# Altium PCB Ascii of Main Board V1.1.PcbDoc (part 1 of 3) (continued)
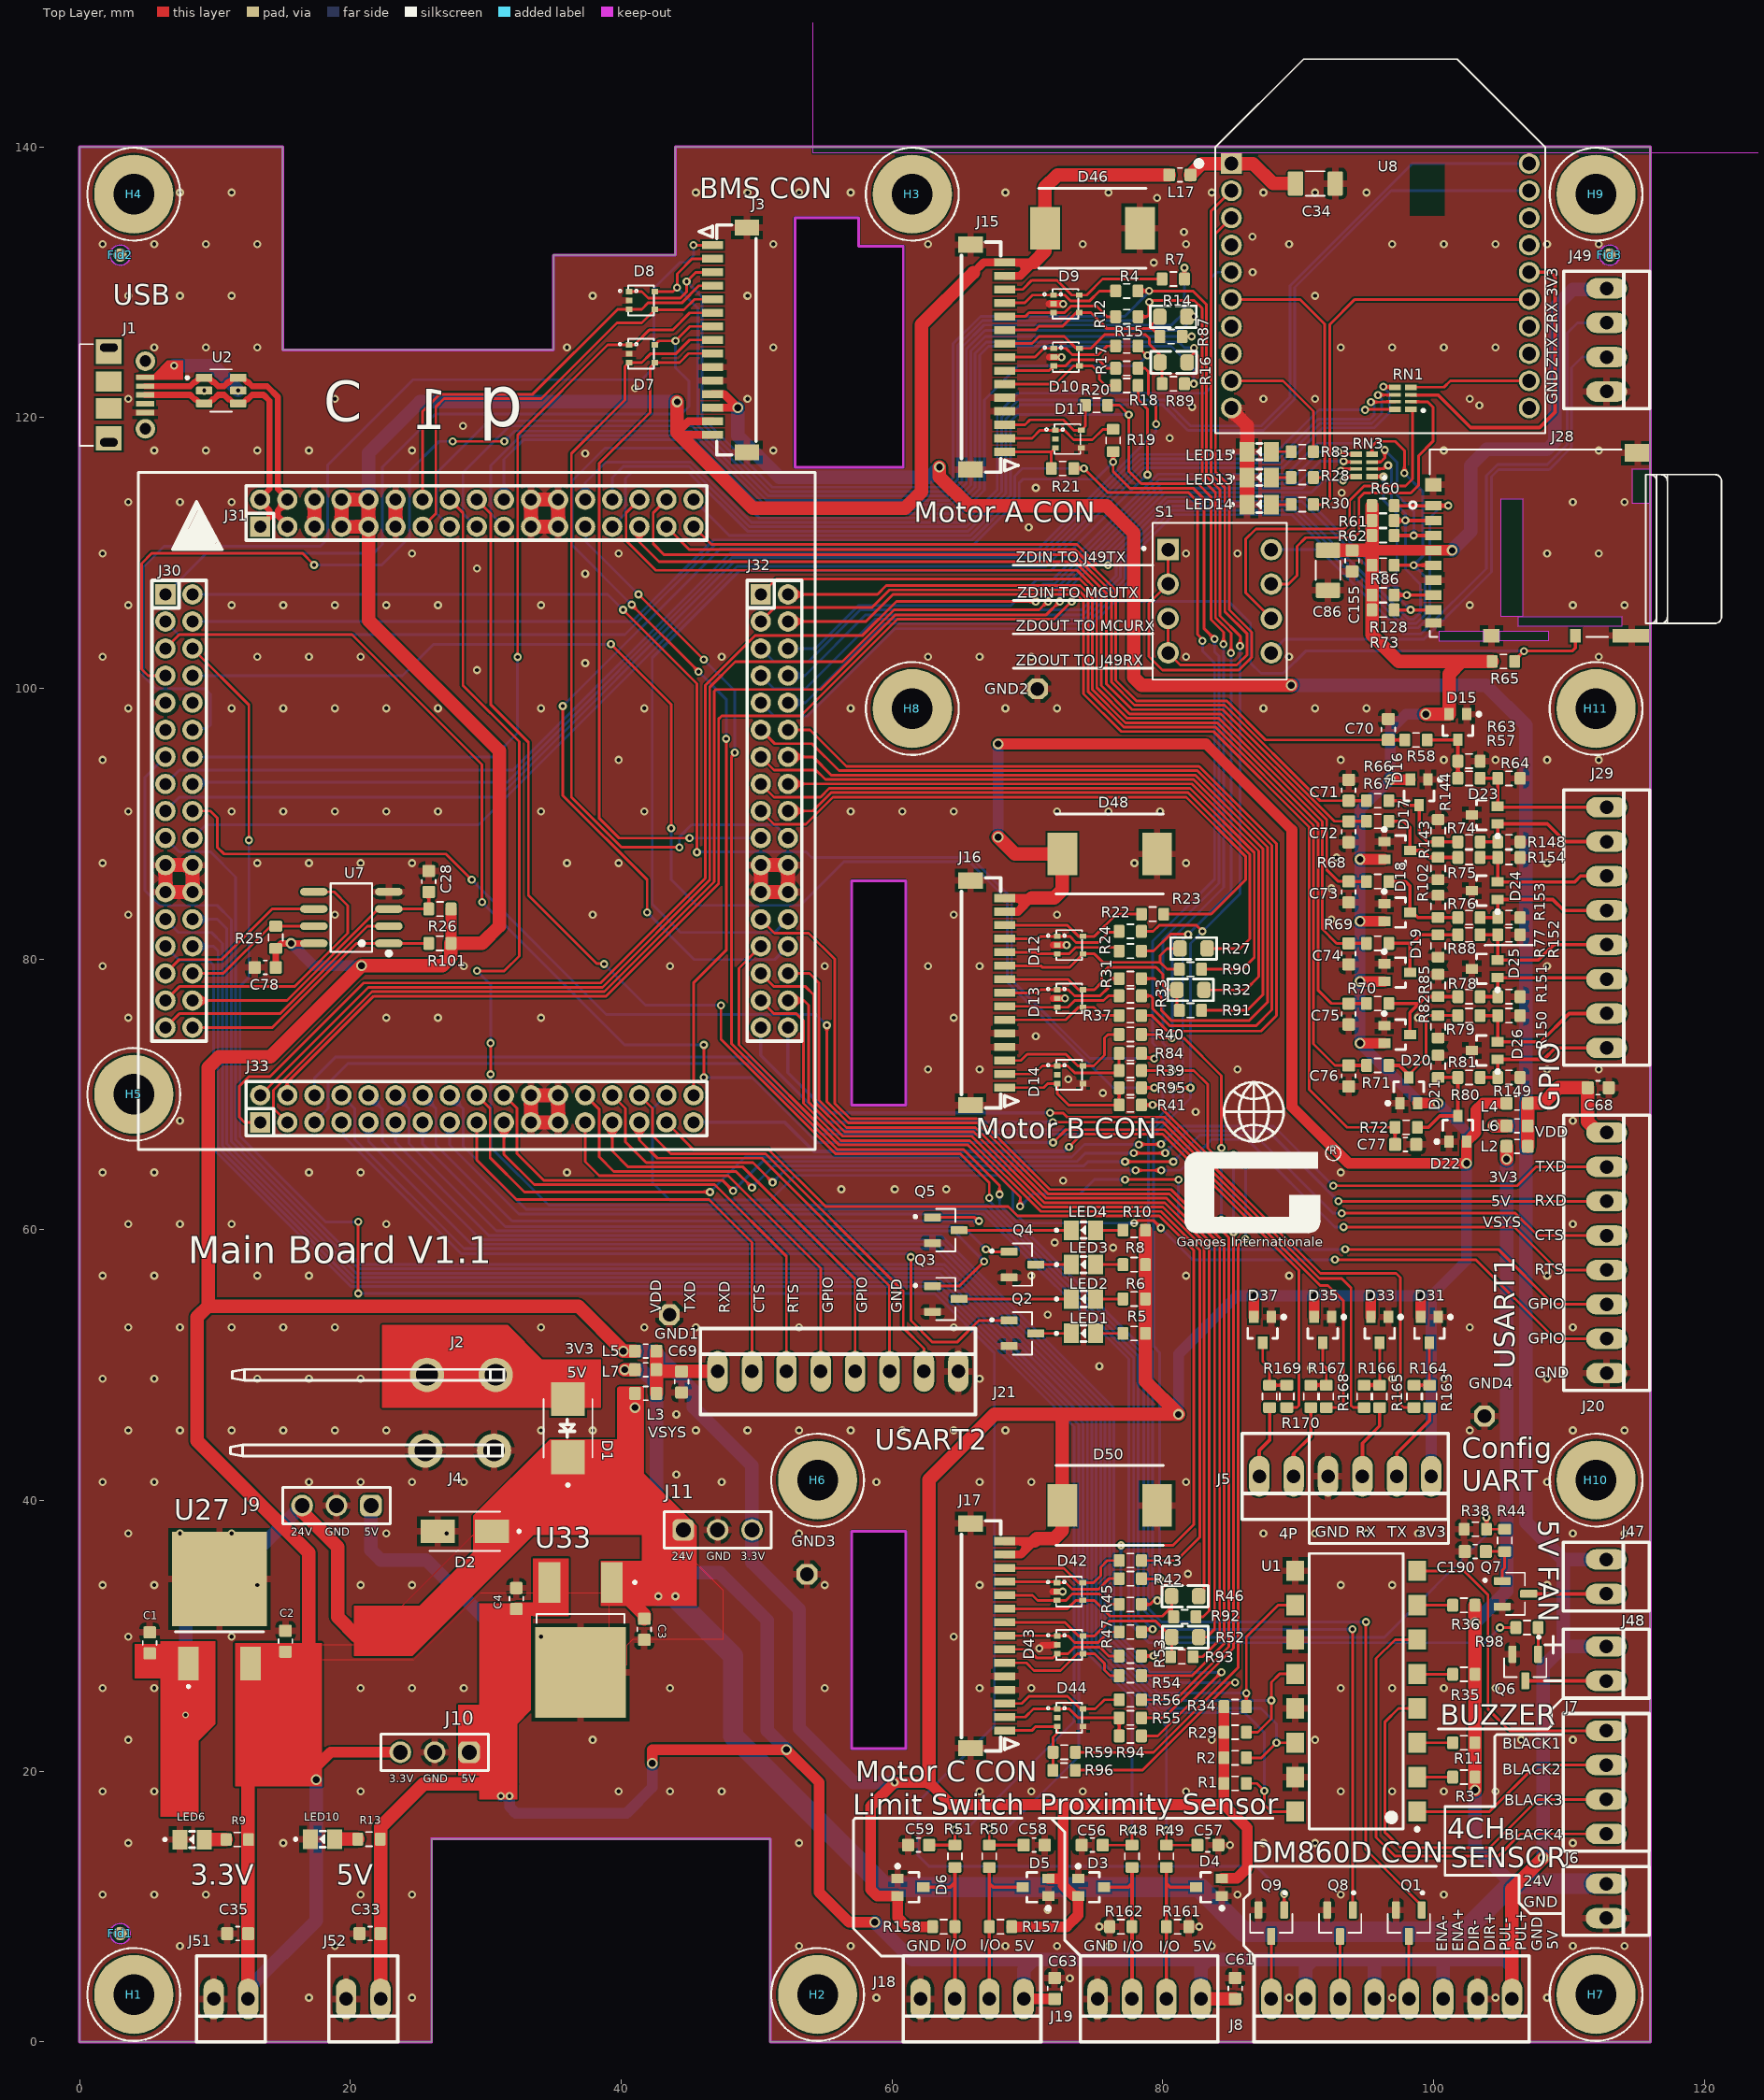
[diagram p0: Top Layer view]
## Components (designator, comment, footprint, x,y, rotation, side; value= is the part's Value field where it differs from the comment) (continued)
LED10 "150080SS75000" LEDC2012X120N 17.95,14.975 r0 top
LED13 "150080VS75000" LEDC2012X120N 87.122,115.572 r0 top
LED14 "150080VS75000" LEDC2012X120N 87.122,113.573 r0 top
LED15 "150080VS75000" LEDC2012X120N 87.122,117.477 r0 top
Q1 "PDTC114ET,215" SOT95P230X110-3N 98.171,8.763 r270 top
Q2 "PDTC114ET,215" SOT95P230X110-3N 69.632,52.342 r0 top
Q3 "PDTC114ET,215" SOT95P230X110-3N 63.972,54.882 r0 top
Q4 "PDTC114ET,215" SOT95P230X110-3N 69.632,57.422 r0 top
Q5 "PDTC114ET,215" SOT95P230X110-3N 63.972,59.962 r0 top
Q6 "NC/BC847B-7-F" SOT95P230X110-3N 106.771,27.65 r270 top
Q7 "NC/BC847B-7-F" SOT95P230X110-3N 106.045,33.099 r0 top
Q8 "PDTC114ET,215" SOT95P230X110-3N 93.091,8.763 r270 top
Q9 "PDTC114ET,215" SOT95P230X110-3N 88.011,8.763 r270 top
R1 "2K" R_0603_1608METRIC 85.336,19.098 r180 top value=1K
R2 "2K" R_0603_1608METRIC 85.344,20.987 r180 top value=1K
R3 "1.2K" R_0603_1608METRIC 102.235,19.558 r0 top value=1K
R4 "100R" R_0603_1608METRIC 77.343,129.347 r180 top
R5 "1K" R_0603_1608METRIC 77.883,52.342 r0 top
R6 "1K" R_0603_1608METRIC 77.883,54.882 r0 top
R7 "100R" R_0603_1608METRIC 80.772,130.236 r0 top
R8 "1K" R_0603_1608METRIC 77.883,57.422 r0 top
R9 "1K" R_0603_1608Metric 11.65,14.95 r0 top
R10 "1K" R_0603_1608METRIC 77.883,59.962 r0 top
R11 "1.2K" R_0603_1608METRIC 102.235,22.098 r0 top value=1K
R12 "100R" R_0603_1608METRIC 77.343,127.447 r180 top
R13 "1K" R_0603_1608Metric 21.375,14.975 r0 top
R14 "200K" R0805 80.772,127.447 r0 top
R15 "100R" R_0603_1608METRIC 77.343,125.283 r180 top
R16 "200K" R0805 80.8,124.075 r0 top
R17 "100R" R_0603_1608METRIC 77.343,123.637 r180 top
R18 "100R" R_0603_1608METRIC 77.343,122.367 r0 top
R19 "0R" R_0603_1608METRIC 76.327,118.301 r90 top
R20 "NC" R_0603_1608METRIC 75.105,120.904 r0 top
R21 "0R" R_0603_1608METRIC 72.595,116.234 r180 top
R22 "100R" R_0603_1608METRIC 77.597,82.042 r180 top
R23 "100R" R_0603_1608METRIC 79.248,83.312 r0 top
R24 "100R" R_0603_1608METRIC 77.597,80.584 r180 top
R25 "10K" R_0603_1608METRIC 14.481,81.598 r270 top value=1K
R26 "10K" R_0603_1608METRIC 26.609,83.693 r0 top value=1K
R27 "200K" R0805 82.275,80.775 r0 top
R28 "1K" R_0603_1608METRIC 90.297,115.572 r180 top
R29 "2K" R_0603_1608METRIC 85.344,22.876 r180 top value=1K
R30 "1K" R_0603_1608METRIC 90.297,113.573 r180 top
R31 "100R" R_0603_1608METRIC 77.597,78.545 r180 top
R32 "200K" R0805 82.042,77.714 r0 top
R33 "100R" R_0603_1608METRIC 77.597,77.28 r180 top
R34 "2K" R_0603_1608METRIC 85.344,24.765 r180 top value=1K
R35 "1.2K" R_0603_1608METRIC 102.235,27.158 r0 top value=1K
R36 "1.2K" R_0603_1608METRIC 102.235,32.258 r0 top value=1K
R37 "100R" R_0603_1608METRIC 77.597,75.819 r0 top
R38 "NC/4.7K" R_0603_1608METRIC 103.075,37.877 r0 top value=1K
R39 "NC" R_0603_1608METRIC 77.597,71.753 r180 top
R40 "NC" R_0603_1608METRIC 77.597,74.422 r0 top
R41 "NC" R_0603_1608METRIC 77.597,69.215 r180 top
R42 "100R" R_0603_1608METRIC 77.597,34.22 r180 top
R43 "100R" R_0603_1608METRIC 77.596,35.56 r0 top
R44 "NC/4.7K" R_0603_1608METRIC 105.246,37.052 r90 top value=1K
R45 "100R" R_0603_1608METRIC 77.597,32.32 r180 top
R46 "200K" R0805 81.65,32.925 r0 top
R47 "100R" R_0603_1608METRIC 77.597,30.283 r180 top
R48 "1K" R_0603_1608METRIC 77.724,13.716 r270 top
R49 "1K" R_0603_1608METRIC 80.264,13.716 r270 top
R50 "1K" R_0603_1608METRIC 67.183,13.716 r270 top
R51 "1K" R_0603_1608METRIC 64.643,13.716 r270 top
R52 "200K" R0805 81.661,29.902 r0 top
R53 "100R" R_0603_1608METRIC 77.597,28.51 r180 top
R54 "100R" R_0603_1608METRIC 77.596,27.051 r0 top
R55 "NC" R_0603_1608METRIC 77.597,23.933 r180 top
R56 "NC" R_0603_1608METRIC 77.597,25.273 r0 top
R57 "NC/100R" R_0603_1608METRIC 102.616,93.345 r0 top
R58 "NC/100R" R_0603_1608METRIC 98.7,96.182 r0 top
R59 "NC" R_0603_1608METRIC 72.722,21.398 r180 top
R60 "10K" R_0603_1608METRIC 96.266,113.486 r0 top value=1K
R61 "10K" R_0603_1608METRIC 96.266,112.386 r0 top value=1K
R62 "10K" R_0603_1608METRIC 96.266,111.286 r0 top value=1K
R63 "NC/10K" R_0603_1608METRIC 102.616,94.615 r0 top
R64 "NC/10K" R_0603_1608METRIC 105.557,93.345 r0 top
R65 "10K" R_0603_1608METRIC 105.156,101.981 r0 top value=1K
R66 "NC/100R" R_0603_1608METRIC 95.871,91.692 r0 top
R67 "NC/100R" R_0603_1608METRIC 95.871,90.17 r0 top
R68 "NC/100R" R_0603_1608METRIC 95.871,85.725 r0 top
R69 "NC/100R" R_0603_1608METRIC 95.871,81.153 r0 top
R70 "NC/100R" R_0603_1608METRIC 95.871,76.708 r0 top
R71 "NC/100R" R_0603_1608METRIC 95.871,72.136 r0 top
R72 "NC/100R" R_0603_1608METRIC 97.98,67.564 r0 top
R73 "10K" R_0603_1608METRIC 96.266,105.786 r0 top value=1K
R74 "NC/100R" R_0603_1608METRIC 102.616,88.646 r0 top
R75 "NC/100R" R_0603_1608METRIC 102.616,87.503 r0 top
R76 "NC/100R" R_0603_1608METRIC 102.616,83.058 r0 top
R77 "NC/100R" R_0603_1608METRIC 102.616,81.788 r0 top
R78 "NC/100R" R_0603_1608METRIC 102.616,77.216 r0 top
R79 "NC/100R" R_0603_1608METRIC 102.616,75.819 r0 top
R80 "NC/100R" R_0603_1608METRIC 102.616,71.247 r0 top
R81 "NC/10K" R_0603_1608METRIC 100.33,72.072 r90 top
R82 "NC/10K" R_0603_1608METRIC 100.33,74.994 r270 top
R83 "1K" R_0603_1608METRIC 90.297,117.477 r180 top
R84 "0R" R_0603_1608METRIC 77.597,73.025 r180 top
R85 "NC/10K" R_0603_1608METRIC 100.33,78.041 r90 top
R86 "10K" R_0603_1608METRIC 96.266,109.086 r0 top value=1K
R87 "330K" R_0603_1608METRIC 80.603,125.984 r0 top
R88 "NC/10K" R_0603_1608METRIC 100.33,80.963 r270 top
R89 "330K" R_0603_1608METRIC 80.772,122.496 r0 top
R90 "330K" R_0603_1608METRIC 82.042,79.24 r0 top
R91 "330K" R_0603_1608METRIC 82.042,76.204 r0 top
R92 "330K" R_0603_1608METRIC 81.625,31.4 r0 top
R93 "330K" R_0603_1608METRIC 81.407,28.448 r0 top
R94 "0R" R_0603_1608METRIC 77.597,22.606 r180 top
R95 "0R" R_0603_1608METRIC 77.597,70.485 r180 top
R96 "0R" R_0603_1608METRIC 72.707,20.066 r180 top
R98 "1K" R_0603_1608METRIC 106.896,30.607 r0 top
R101 "100K" R_0603_1608METRIC 26.606,81.153 r0 top
R102 "NC/10K" R_0603_1608METRIC 100.33,83.883 r90 top
R128 "10K" R_0603_1608METRIC 96.266,106.886 r180 top value=1K
R143 "NC/10K" R_0603_1608METRIC 100.33,86.678 r270 top
R144 "NC/10K" R_0603_1608METRIC 100.33,89.471 r90 top
R148 "NC/10K" R_0603_1608METRIC 105.557,88.646 r0 top
R149 "NC/10K" R_0603_1608METRIC 105.557,71.247 r0 top
R150 "NC/10K" R_0603_1608METRIC 105.557,75.819 r0 top
R151 "NC/10K" R_0603_1608METRIC 105.557,77.216 r0 top
R152 "NC/10K" R_0603_1608METRIC 105.557,81.788 r0 top
R153 "NC/10K" R_0603_1608METRIC 105.557,83.058 r0 top
R154 "NC/10K" R_0603_1608METRIC 105.557,87.503 r0 top
R157 "10K" R_0603_1608METRIC 68.008,8.509 r0 top value=1K
R158 "10K" R_0603_1608METRIC 63.818,8.509 r0 top value=1K
R161 "10K" R_0603_1608METRIC 81.089,8.509 r0 top value=1K
R162 "10K" R_0603_1608METRIC 76.899,8.509 r0 top value=1K
R163 "100R" R_0603_1608METRIC 99.695,47.688 r90 top
R164 "100R" R_0603_1608METRIC 98.552,47.688 r90 top
R165 "100R" R_0603_1608METRIC 96.012,47.688 r90 top
R166 "100R" R_0603_1608METRIC 94.869,47.688 r90 top
R167 "NC/100R" R_0603_1608METRIC 90.932,47.688 r90 top value=1K
R168 "NC/100R" R_0603_1608METRIC 92.075,47.688 r90 top value=1K
R169 "NC/100R" R_0603_1608METRIC 87.884,47.688 r90 top value=1K
R170 "NC/100R" R_0603_1608METRIC 89.154,47.688 r90 top value=1K
RN1 "YC124-JR-0747RL" RESCAXS50P200X100X55-8N 97.735,121.416 r180 top
RN3 "YC124-JR-0747RL" RESCAXS50P200X100X55-8N 94.869,116.459 r180 top
S1 "KG04ET" SW_DS01-254-S-04BE 84.201,106.426 r270 top
U1 "LTV-847S" "SMD-16 19.84X7.62MM P2.54mm" 94.281,25.908 r180 top
U2 "NC/USBLC6-2SC6" SOT95P280X145-6N 10.455,121.991 r0 top
U7 "SST26VF016BT-80E/SN" SOIC-8 20.069,83.058 r180 top
U8 "XBee3 through-hole module" XB3-24Z8PT-J 96.063,132.664 r0 top locked
U27 "BA033CC0FP-E2" ROHM_TO-252-3 10.325,35.8 r0 top
U33 "L78M05ABDT-TR" VREG_L78M05ABDT-TR 37,29.7 r270 top

## Footprints (in the part's own frame and the unit in brackets; to place one, negate y for a bottom-side part, rotate by r counter-clockwise, add the part's x,y. Pads: shape width x height; smd on the part's side, far side on the other; paste and mask are expansions set on the pad)
1X01 [mil] "1X01"
  oct 60x60 / inner round 0 / far side oct 60x60 hole 40: 1(0,0)
  body extent -28,-28 28,28, height 150
3,0-PAD [mil] "3,0-PAD"
  round 230 / inner round 0 / far side round 230 hole 118.11: B3,0(0,0)
  silkscreen extent -135,-135 135,135
22-23-2021 [mm]
  oval 1.508x3.016 hole 1: 1(-1.27,0) 2(1.27,0)
  silkscreen extent -2.54,-3.18 2.54,3.18, body extent -2.46,-3.25 2.46,3.1, height 10.68
22-23-2041 [mm]
  oval 1.508x3.016 hole 1: 1(-3.81,0) 2(-1.27,0) 3(1.27,0) 4(3.81,0)
  silkscreen extent -5.08,-3.18 5.08,3.18, body extent -5.08,-3.1 5.08,3.25, height 10.68
22-23-2061 [mm]
  oval 1.508x3.016 hole 1: 1(-6.35,0) 2(-3.81,0) 3(-1.27,0) 4(1.27,0) 5(3.81,0) 6(6.35,0)
  silkscreen extent -7.62,-3.18 7.62,3.18, body extent -7.54,-3.25 7.54,3.1, height 10.68
22-23-2081 [mm]
  oval 1.508x3.016 hole 1: 1(-8.89,0) 2(-6.35,0) 3(-3.81,0) 4(-1.27,0) 5(1.27,0) 6(3.81,0) 7(6.35,0) 8(8.89,0)
  silkscreen extent -10.16,-3.18 10.16,3.18, body extent -10.16,-3.1 10.16,3.25, height 10.68
61300311121 [mm] "Pin Header, pitch 2.54 mm, THT, Vertical, single row, 3p"
  rrect50% 1.6x1.6 hole 1.1: 1(-2.54,0)
  round 1.6 hole 1.1: 2(0,0) 3(2.54,0)
  silkscreen extent -3.96,-1.35 3.96,1.35, body extent -3.81,-1.27 3.81,1.27, height 8.57
C_0603_1608Metric [mm]
  rrect25% 0.9x0.95 smd mask+0: 1(-0.775,0) 2(0.775,0)
  silkscreen extent -0.14,-0.51 0.14,0.51, body extent -0.8,-0.4 0.8,0.4, height 0.9
C_0603_1608METRIC [mm]
  rrect25% 0.9x0.95 smd mask+0: 1(-0.775,0) 2(0.775,0)
  silkscreen extent -0.14,-0.51 0.14,0.51, body extent -0.8,-0.4 0.8,0.4, height 0.9
C_1206_3216METRIC [mm]
  rrect22% 1.15x1.8 smd mask+0: 1(-1.475,0) 2(1.475,0)
  silkscreen extent -0.71,-0.91 0.71,0.91, body extent -1.6,-0.8 1.6,0.8, height 1
"Crimp male 90 degree 0.25(6.35mm)" [mm] "F061.120"
  round 2.54 hole 1.6: 1(-2.54,0) 1(2.54,0)
  silkscreen extent -16.92,-0.41 3.15,0.41, body extent -16.97,-0.41 3.1,0.41, height 9.14
DIONM7959X262N [mm]
  rect 2.2x3.15 smd: 1(-3.5,0) 2(3.5,0)
  silkscreen extent -3.97,-2.95 3.97,2.95, body extent -3.97,-2.95 3.97,2.95, height 2.3
Fiducial_1mm_Mask2mm [mm]
  round 1 smd mask+0.102: Un1(0,0)
  round 1 smd far side: Un1(0,0)
  Keep-Out Layer circle w0.1: c0,0 r0.75
FP-95402-MFG [mm]
  rect 2.5x2.5 smd: 1(-2.15,0) 2(2.15,0)
  silkscreen extent -4.3,-1.81 2.16,1.81, body extent -2.72,-1.78 2.72,1.78, height 2.46
HDR-TH_34P-P2.00-V-M-R2-C17-S2.00 [mm]
  rect 1.5x1.5 hole 0.9: 1(-16,-1)
  round 1.5 hole 0.9: 2(-16,1) 3(-14,-1) 4(-14,1) 5(-12,-1) 6(-12,1) 7(-10,-1) 8(-10,1) 9(-8,-1) 10(-8,1) 11(-6,-1) 12(-6,1) 13(-4,-1) 14(-4,1) 15(-2,-1) 16(-2,1) 17(0,-1) 18(0,1) 19(2,-1) 20(2,1) 21(4,-1) 22(4,1) 23(6,-1) 24(6,1) 25(8,-1) 26(8,1) 27(10,-1) 28(10,1) 29(12,-1) 30(12,1) 31(14,-1) 32(14,1) 33(16,-1) 34(16,1)
  silkscreen extent -17.04,-2 17,2.02, body extent -17,-2.03 17,2.03, height 4.5
HRS_DM3AT-SF-PEJM5 [mm]
  rect 0.7x1.2 smd: 1(0,0) 2(-1.1,0) 3(-2.2,0) 4(-3.3,0) 5(-4.4,0) 6(-5.5,0) 7(-6.6,0) 8(-7.7,0) SWB(-8.65,0)
  rect 1x1.2 smd: P1(-9.6,-4.3) P4(1.55,0)
  rect 1x2.8 smd: P2(-9.6,-14.65)
  rect 1.3x1.9 smd: P3(3.9,-15.1)
  rect 1x0.8 smd: SWA(-9.6,-10.5)
  Keep-Out Layer region: -9.25,-3.707 -10.013,-3.707 -10.013,-0.45 -9.25,-0.45
  Keep-Out Layer region: -9.25,-8.505 -10.004,-8.505 -10.004,-4.9 -9.25,-4.9
  Keep-Out Layer region: -8.2,-13.915 -8.906,-13.915 -8.906,-6.3 -8.2,-6.3
  Keep-Out Layer region: 0.5,-6.604 -8.203,-6.604 -8.203,-5 0.5,-5
  Keep-Out Layer region: 2.7,-16.057 0.151,-16.057 0.151,-14.7 2.7,-14.7
  silkscreen extent -9.7,-21.3 4.15,1.75, body extent -9.68,-15.77 4.17,0.38, height 1.68
L_0603_1608Metric [mm]
  rrect25% 0.875x0.95 smd mask+0: 1(-0.787,0) 2(0.787,0)
  silkscreen extent -0.16,-0.51 0.16,0.51, body extent -0.8,-0.4 0.8,0.4, height 1
LEDC2012X120N [mm]
  rect 1.1x1.45 smd: A(0.9,0) C(-0.9,0)
  silkscreen extent -2.1,-0.6 0.2,0.6, body extent -1,-0.62 1,0.63, height 0.8
MOLEX_105017-0001 [mm]
  rect 0.4x1.35 smd: 1(-1.3,2.675) 2(-0.65,2.675) 3(0,2.675) 4(0.65,2.675) 5(1.3,2.675)
  round 1.45 hole 0.85: P$1(-2.5,2.7) P$2(2.5,2.7)
  rect 1.5x1.9 smd: P$8(-1,0) P$9(1,0)
  rect 1.8x1.9 smd: P$10(-3.2,0) P$11(3.2,0)
  oval 0.8x1.6 hole 0.6 slot 1.3 at 90 deg: P$12(-3.5,0) P$13(3.5,0)
  silkscreen extent -3.75,-2.15 3.75,-1.15, body extent -4.1,-2.75 4.1,2.65, height 2.63
ONSC-SOT-323-3-419-04_V [mm] "SOT23, 3-Leads, Body 2x1.25mm, Pitch 0.65mm"
  rect 0.9x0.7 smd: 1(-0.95,0.65) 2(-0.95,-0.65) 3(0.95,0)
  silkscreen extent -1.07,-1.1 0.63,1.67, body extent -0.63,-1 0.63,1, height 1
R0805 [mm] "CHIP RESISTOR 1/8 WATT ,2.0X1.3mm, 0805, 2012"
  rrect50% 1x1.2 smd paste-5 mask+0.075: 1(-1,0) 2(1,0)
  Top Layer pour cut-out: -0.5,0.8 0.5,0.8 0.5,-0.8 -0.5,-0.8
  silkscreen extent -1.7,-0.8 1.7,0.8, body extent -1.15,-0.67 1.15,0.68, height 0.76
R_0603_1608METRIC [mm]
  rrect25% 0.8x0.95 smd: 1(-0.825,0) 2(0.825,0)
  silkscreen extent -0.24,-0.52 0.24,0.52, body extent -0.85,-0.4 0.85,0.4, height 0.56
R_0603_1608Metric [mm]
  rrect25% 0.8x0.95 smd: 1(-0.825,0) 2(0.825,0)
  silkscreen extent -0.24,-0.52 0.24,0.52, body extent -0.85,-0.4 0.85,0.4, height 0.56
RESCAXS50P200X100X55-8N [mm]
  rect 0.87x0.41 smd: 1(-0.58,0.825) 4(-0.58,-0.825) 5(0.58,-0.825) 8(0.58,0.825)
  rect 0.87x0.26 smd: 2(-0.58,0.25) 3(-0.58,-0.25) 6(0.58,-0.25) 7(0.58,0.25)
  silkscreen extent -1.6,0.8 -1.4,1, body extent -0.5,-1 0.5,1, height 0.45
ROHM_TO-252-3 [mm]
  rect 1.5x2.5 smd: 1(-2.3,-7.85) 2(2.3,-7.85)
  rect 7x7 smd: 3(0,-1.6)
  silkscreen extent -3.25,-9.63 3.25,-5.5, body extent -3.25,-8.62 3.25,0.88, height 2.3
"SH1.0 1X15P SMT VERTICAL" [mm]
  rect 0.6x1.55 smd: 1(7,1.263) 2(6,1.263) 3(5,1.263) 4(4,1.263) 5(3,1.263) 6(2,1.263) 7(1,1.263) 8(0,1.263) 9(-1,1.263) 10(-2,1.263) 11(-3,1.263) 12(-4,1.263) 13(-5,1.263) 14(-6,1.263) 15(-7,1.263)
  rect 1.2x1.8 smd: M1(-8.3,-1.262) M2(8.3,-1.262)
  silkscreen extent -8.5,-1.94 8.5,2.26
SMA [mm]
  rect 2.5x1.7 smd: 1(-2,0) 2(2,0)
  silkscreen extent -4.1,-1.46 2.6,1.46, body extent -2.57,-1.28 2.57,1.28, height 2.62
"SMD-16 19.84X7.62MM P2.54mm" [mm]
  rect 1.3x1.5 smd paste+0 mask+0: 1(-4.5,8.89) 2(-4.5,6.35) 3(-4.5,3.81) 4(-4.5,1.27) 5(-4.5,-1.27) 6(-4.5,-3.81) 7(-4.5,-6.35) 8(-4.5,-8.89) 9(4.5,-8.89) 10(4.5,-6.35) 11(4.5,-3.81) 12(4.5,-1.27) 13(4.5,1.27) 14(4.5,3.81) 15(4.5,6.35) 16(4.5,8.89)
  silkscreen extent -4.63,-10.17 3.47,10.32, body extent -5.25,-10.27 5.25,10.27, height 0.25
SOIC-8 [mm]
  oval 2.036x0.574 smd: 1(-2.768,1.905) 2(-2.768,0.635) 3(-2.768,-0.635) 4(-2.768,-1.905) 5(2.768,-1.905) 6(2.768,-0.635) 7(2.768,0.635) 8(2.768,1.905)
  silkscreen extent -2.92,-2.53 1.52,2.79, body extent -3,-2.45 3,2.45, height 1.75
SOT95P230X110-3N [mm]
  rrect25% 1.26x0.59 smd: 1(-0.98,0.95) 2(-0.98,-0.95) 3(0.98,0)
  silkscreen extent -2.35,-1.57 0.7,1.57, body extent -1.15,-1.45 1.15,1.45, height 1.1
SOT95P280X145-5N [mm]
  rect 0.5x0.4 smd: 1(-0.95,0.65) 2(-0.95,0) 3(-0.95,-0.65) 4(0.95,-0.65) 5(0.95,0.65)
  silkscreen extent -1.72,-1.1 0.88,1.1, body extent -1.05,-1 1.05,1, height 1.09
SOT95P280X145-6N [mm]
  rrect25% 1.21x0.58 smd: 1(-1.255,0.95) 2(-1.255,0) 3(-1.255,-0.95) 4(1.255,-0.95) 5(1.255,0) 6(1.255,0.95)
  silkscreen extent -2.6,-1.56 0.8,1.56, body extent -1.7,-1.65 1.7,1.65, height 0.25
SW_DS01-254-S-04BE [mm]
  rect 1.58x1.58 hole 1: 1A(-3.81,-3.81)
  round 1.58 hole 1: 1B(-3.81,3.81) 2A(-1.27,-3.81) 2B(-1.27,3.81) 3A(1.27,-3.81) 3B(1.27,3.81) 4A(3.81,-3.81) 4B(3.81,3.81)
  silkscreen extent -5.79,-5.7 5.79,4.95, body extent -5.86,-4.95 5.86,4.95, height 6.04
VREG_L78M05ABDT-TR [mm]
  rect 3x1.6 smd: 1(-4.25,2.3) 3(-4.25,-2.3)
  rect 6.7x6.7 smd paste-4: 2(2.4,0)
  silkscreen extent -4.35,-3.25 -1.26,4.1, body extent -4.83,-3.25 4.67,3.25, height 2.3
XB3-24Z8PT-J [mm]
  rect 1.53x1.53 hole 1.02: 1(-10.998,6.096)
  round 1.53 hole 1.02: 2(-10.998,4.089) 3(-10.998,2.083) 4(-10.998,0.076) 5(-10.998,-1.93) 6(-10.998,-3.937) 7(-10.998,-5.944) 8(-10.998,-7.95) 9(-10.998,-9.957) 10(-10.998,-11.963) 11(10.998,-11.963) 12(10.998,-9.957) 13(10.998,-7.95) 14(10.998,-5.944) 15(10.998,-3.937) 16(10.998,-1.93) 17(10.998,0.076) 18(10.998,2.083) 19(10.998,4.089) 20(10.998,6.096)
  Keep-Out Layer region: 41.9,6.86 -41.9,6.86 -41.9,22.06 41.9,22.06
  Keep-Out Layer region: 41.9,6.86 -41.9,6.86 -41.9,22.06 41.9,22.06
  Keep-Out Layer region: 41.9,6.86 -41.9,6.86 -41.9,22.06 41.9,22.06
  silkscreen extent -13.6,-13.82 12.19,13.82, body extent -12.32,-13.91 12.06,13.73, height 9.15

## Part data
C1 C2 C3 C4 C28 C61 C63 C68 C69 C78 C155: library part "Cap Semi", "CAP CER 0.1UF 50V X7R 0603", LatestRevisionDate=29-May-2009, LatestRevisionNote="IPC-7351 Footprint Added.", PackageDescription="Chip Capacitor", PackageReference=C1206, Published=8-Jun-2000, Publisher="Altium Limited"
C33 C35: library part "Cap Semi", "08055C103KAT2A", LatestRevisionDate=29-May-2009, LatestRevisionNote="IPC-7351 Footprint Added.", PackageDescription="Chip Capacitor", PackageReference=C1206, Published=8-Jun-2000, Publisher="Altium Limited"
C34 C86: library part "Cap Semi", "CAP CER 10UF 50V X5R 1206", LatestRevisionDate=29-May-2009, LatestRevisionNote="IPC-7351 Footprint Added.", PackageDescription="Chip Capacitor", PackageReference=C1206, Published=8-Jun-2000, Publisher="Altium Limited"
C56 C57 C58 C59: library part "Cap Semi", "CAP CER 1000PF 50V X7R 0603", LatestRevisionDate=29-May-2009, LatestRevisionNote="IPC-7351 Footprint Added.", PackageDescription="Chip Capacitor", PackageReference=C1206, Published=8-Jun-2000, Publisher="Altium Limited"
C70 C71 C72 C73 C74 C75 C76 C77: library part "Cap Semi", "0805J0500104KXT", LatestRevisionDate=29-May-2009, LatestRevisionNote="IPC-7351 Footprint Added.", PackageDescription="Chip Capacitor", PackageReference=C1206, Published=8-Jun-2000, Publisher="Altium Limited"
C190: library part "Cap Semi", "DUMMY", LatestRevisionDate=29-May-2009, LatestRevisionNote="IPC-7351 Footprint Added.", PackageDescription="Chip Capacitor", PackageReference=C1206, Published=8-Jun-2000, Publisher="Altium Limited"
D1: library part 1d6ec82d83fb6aee721767c19dac4b9, "DIODE SCHOTTKY 40V 3A DO214AB"
D2 D46 D48 D50: library part SMLJ43CA, "TVS Diode (Bi-directional)", Manufacturer_Name=Bourns, Mouser Part Number=652-SMLJ43CA, Arrow Part Number=SMLJ43CA, Arrow Price/Stock=https://www.arrow.com/en/products/smlj43ca/bourns, Datasheet Link=https://www.arrow.com/en/products/smlj43ca/bourns, Height=2.62mm, Manufacturer_Part_Number=SMLJ43CA, Mouser Price/Stock=https://www.mouser.co.uk/ProductDetail/Bourns/SMLJ43CA?qs=d7fLapxX37H4ipm6c23cIQ%3D%3D
D3 D4 D5 D6 D15 D16 D17 D18 D19 D20 D21 D22 D31 D33: library part BAT54S, "Diode Array 1 Pair Series Connection Schottky 30V 200mA Surface Mount TO-236-3, SC-59, SOT-23-3", Package="SOT-23-3 ON Semiconductor", Availability=Unavailable, MF="ON Semiconductor", MP=BAT54S, PRICE=None, SnapEDA_Link=https://www.snapeda.com/parts/BAT54S/ON%20Semiconductor/view-part/1737355/?ref=snap
D7 D8 D9 D10 D11 D12 D13 D14 D42 D43 D44: library part PESD3V3L4UW, "Low capacitance unidirectional quadruple ESD protection diode arrays"
D23 D24 D25 D26: library part BAT54A-7-F, "Diode Array 1 Pair Common Anode Schottky 30V 200mA (DC) Surface Mount TO-236-3, SC-59, SOT-23-3", Package="Custom Package Diodes Inc.", Availability=Good, Check_prices=https://www.snapeda.com/parts/BAT54A-7-F/Diodes%20Inc./view-part/120459/?ref=eda, MF="Diodes Inc.", MP=BAT54A-7-F, PRICE=None, Purchase-URL=https://pricing.snapeda.com/search/part/BAT54A-7-F/?ref=eda, SnapEDA_Link=https://www.snapeda.com/parts/BAT54A-7-F/Diodes%20Inc./view-part/120459/?ref=snap
D35 D37: library part BAT54STA, "Diode Array 1 Pair Series Connection Schottky 30V 200mA _DC_ Surface Mount TO-236-3, SC-59, SOT-23-3", Package="SOT-23 Diodes Inc.", Digi-Key_Part_Number=BAT54SCT-ND, Digi-Key_Purchase_URL=https://www.digikey.ru/product-detail/en/diodes-incorporated/BAT54STA/BAT54SCT-ND/243050?utm_source=snapeda&utm_medium=aggregator&utm_campaign=symbol, MF="Diodes Inc.", MP=BAT54STA, SnapEDA_Link=https://www.snapeda.com/parts/BAT54STA/Diodes%20Inc./view-part/367987/?ref=snap
Fid1 Fid2 Fid3: library part Fiducial, "Fiducial Mark", Part Number=Fid-Mark, Artikkelnr Noca=N.A., Artikkelnr Simpro=N.A., Footprint Doc=Fiducial, LatestRevisionDate=2009-12-12, Pin Count=1, Published=2009-12-12, Publisher="Nordic Semiconductor"
J1: library part 105017-0001, Package=None, Availability=Unavailable, MF=Molex, MP=105017-0001, PRICE=None, SnapEDA_Link=https://www.snapeda.com/parts/105017-0001/Molex/view-part/281210/?ref=snap
J2 J4: library part PIN3F061.120, "Flachstecker Typ tyco/Electronics/AMP   Printed Circuit Board Tabs Source: http://www.buerklin.com", MPN=MPN, DeviceName=F061.120, DeviceSetName=PIN3, GateName_1=-1, LibraryName=con-faston, MF=MF, OC_FARNELL=unknown, OC_NEWARK=unknown, SymbolName_1=PIN
J3 J15 J16 J17: library part "1x15P SMT Connector", BOM_JLCPCB Part Class="Extended Part", BOM_Manufacturer="XKB Enterprise", BOM_Manufacturer Part=X2016WRS-10-9TSW, BOM_Supplier=LCSC, BOM_Supplier Part=C519176, Contributor=LCSC, spicePre=C, spiceSymbolName=X2016WRS-10-9TSW
J5: "Connector Header Through Hole 6 position 0.100 (2.54mm)", Package=None, Check_prices=https://www.snapeda.com/parts/22-23-2061/Molex/view-part/472001/?ref=eda, MF=Molex, MP=22-23-2061, PRICE=None, SnapEDA_Link=https://www.snapeda.com/parts/22-23-2061/Molex/view-part/472001/?ref=snap
J6: "Connector Header Through Hole 2 position 0.100 (2.54mm)", Package=None, Availability=Unavailable, Check_prices=https://www.snapeda.com/parts/22232021/Molex/view-part/4299878/?ref=eda, MF=Molex, MP=22232021, PRICE=None, SnapEDA_Link=https://www.snapeda.com/parts/22232021/Molex/view-part/4299878/?ref=snap
J7 J18 J19: "Connector Header Through Hole 4 position 0.100 (2.54mm)", Package=None, Availability=Warning, Check_prices=https://www.snapeda.com/parts/22-23-2041/Molex/view-part/438493/?ref=eda, MF=Molex, MP=22-23-2041, PRICE=None, Purchase-URL=https://pricing.snapeda.com/search/part/22-23-2041/?ref=eda, SnapEDA_Link=https://www.snapeda.com/parts/22-23-2041/Molex/view-part/438493/?ref=snap
J8 J20 J21 J29: library part "Header 8", "Header, 8-Pin", LatestRevisionDate=17-Jul-2002, LatestRevisionNote="Re-released for DXP Platform.", Publisher="Altium Limited"
J9 J10 J11: "WR-PHD Pin Header, THT, Vertical, pitch 2.54mm, 1 Row, 3P", Contact Resistance=20mΩ, Manufacturer="Wurth Elektronik", Operating Temperature Max=105°C, Operating Temperature Min=-40°C, Rated Current=3A, Withstanding Voltage=500V, Working Voltage=250V, Category="Board-to-Board Connectors", ComponentLink1Description="Website Link", ComponentLink1URL=https://www.we-online.com/redexpert/article/61300311121?ad, ComponentLink2Description="Datasheet Link", ComponentLink2URL=https://www.we-online.com/redexpert/spec/61300311121?ad, Gender="Pin Header", Manufacturer Part Number=61300311121, Match Code=WR-PHD, Mount="Through Hole", Number of Pins=3, Number of Rows=1, Orientation=Vertical, Packaging=Bag, Pitch=2.54mm
J28: "CONN MICRO SD CARD PUSH-PUSH R/A", Package=None, Availability=Unavailable, MF=Hirose, MP=DM3AT-SF-PEJM5, PRICE=None, SnapEDA_Link=https://www.snapeda.com/parts/DM3AT-SF-PEJM5/Hirose%20Electric%20Co%20Ltd/view-part/1223877/?ref=snap
J30 J31 J32 J33: library part "Header 17X2", "Header, 17-Pin, Dual row", LatestRevisionDate=17-Jul-2002, LatestRevisionNote="Re-released for DXP Platform.", Publisher="Altium Limited"
J47 J48 J51 J52: library part 22-23-2021, "Connector Header Through Hole 2 position 0.100 (2.54mm)", Package=None, Availability=Unavailable, Check_prices=https://www.snapeda.com/parts/22232021/Molex/view-part/4299878/?ref=eda, MF=Molex, MP=22232021, PRICE=None, SnapEDA_Link=https://www.snapeda.com/parts/22232021/Molex/view-part/4299878/?ref=snap
J49: library part 22-23-2041, "Connector Header Through Hole 4 position 0.100 (2.54mm)", Package=None, Availability=Warning, Check_prices=https://www.snapeda.com/parts/22-23-2041/Molex/view-part/438493/?ref=eda, MF=Molex, MP=22-23-2041, PRICE=None, Purchase-URL=https://pricing.snapeda.com/search/part/22-23-2041/?ref=eda, SnapEDA_Link=https://www.snapeda.com/parts/22-23-2041/Molex/view-part/438493/?ref=snap
L2: library part FB-M1331, "CIM10J601NC", DeviceName=-M1331, DeviceSetName=FB, GateName_1=G$1, LibraryName=inductors-jwmiller, SymbolName_1=FB
L3 L4 L5 L6 L7 L17: library part FB-M1331, "BBPY00160808601Y00", DeviceName=-M1331, DeviceSetName=FB, GateName_1=G$1, LibraryName=inductors-jwmiller, SymbolName_1=FB
LED1 LED2 LED3 LED4 LED13 LED14 LED15: library part SML-LXT0805IW-TR, "LED GREEN CLEAR 0805 SMD", Package="0805 Lumex", Availability=Unavailable, MF="Lumex Opto/Components", MP=SML-LXT0805IW-TR, PRICE=None, SnapEDA_Link=https://www.snapeda.com/parts/SML-LXT0805IW-TR/Lumex%20Opto/Components%20Inc./view-part/340416/?ref=snap
LED6 LED10: library part SML-LXT0805IW-TR, "LED RED CLEAR 0805 SMD", Package="0805 Lumex", Availability=Unavailable, MF="Lumex Opto/Components", MP=SML-LXT0805IW-TR, PRICE=None, SnapEDA_Link=https://www.snapeda.com/parts/SML-LXT0805IW-TR/Lumex%20Opto/Components%20Inc./view-part/340416/?ref=snap
Q1 Q2 Q3 Q4 Q5 Q8 Q9: "TRANS PREBIAS NPN 250MW TO236AB"
Q6 Q7: library part BC847B-7-F
R1 R2 R29 R34: library part Res2, "RES SMD 2K OHM 5% 1/10W 0603", LatestRevisionDate=17-Jul-2002, LatestRevisionNote="Re-released for DXP Platform.", PackageDescription="Axial Device, Thru-Hole; 2 Leads; 0.4 in Pin Spacing", PackageReference=AXIAL-0.4, Published=8-Jun-2000, Publisher="Altium Limited"
R3 R11 R35 R36: library part Res2, "RES 1.2K OHM 5% 1/10W 0603", LatestRevisionDate=17-Jul-2002, LatestRevisionNote="Re-released for DXP Platform.", PackageDescription="Axial Device, Thru-Hole; 2 Leads; 0.4 in Pin Spacing", PackageReference=AXIAL-0.4, Published=8-Jun-2000, Publisher="Altium Limited"
R4 R7 R12 R14 R15 R16 R17 R18 R20 R22 R23 R24 R27 R31 R32 R33 R37 R39 R40 R41 R42 R43 R45 R46 R47 R52 R53 R54 R55 R56 R57 R58 R59 R66 R67 R68 R69 R70 R71 R72 R74 R75 R76 R77 R78 R79 R80 R163 R164 R165 R166: library part RES, "RES 100 OHM 5% 1/10W 0603", åç§°=è´´ç‰‡ç”µé˜»
R5 R6 R8 R9 R10 R13 R28 R30 R48 R49 R50 R51 R83 R98: library part Res2, "RES 1K OHM 5% 1/10W 0603", LatestRevisionDate=17-Jul-2002, LatestRevisionNote="Re-released for DXP Platform.", PackageDescription="Axial Device, Thru-Hole; 2 Leads; 0.4 in Pin Spacing", PackageReference=AXIAL-0.4, Published=8-Jun-2000, Publisher="Altium Limited"
R19 R21 R84 R94 R95 R96: library part RES, "RES 0 OHM JUMPER 1/10W 0603", åç§°=è´´ç‰‡ç”µé˜»
R25 R26 R60 R61 R62 R65 R73 R86 R128 R157 R158 R161 R162: library part Res2, "RES 10K OHM 5% 1/10W 0603", LatestRevisionDate=17-Jul-2002, LatestRevisionNote="Re-released for DXP Platform.", PackageDescription="Axial Device, Thru-Hole; 2 Leads; 0.4 in Pin Spacing", PackageReference=AXIAL-0.4, Published=8-Jun-2000, Publisher="Altium Limited"
R38 R44: library part Res2, "CRCW08054K70FKEA", LatestRevisionDate=17-Jul-2002, LatestRevisionNote="Re-released for DXP Platform.", PackageDescription="Axial Device, Thru-Hole; 2 Leads; 0.4 in Pin Spacing", PackageReference=AXIAL-0.4, Published=8-Jun-2000, Publisher="Altium Limited"
R63 R64 R81 R82 R85 R88 R102 R143 R144 R148 R149 R150 R151 R152 R153 R154: library part RES, "RC0805FR-071KL", åç§°=è´´ç‰‡ç”µé˜»
R87 R89 R90 R91 R92 R93: library part RES, "RES 330K OHM 5% 1/10W 0603", åç§°=è´´ç‰‡ç”µé˜»
R101: library part Res2, "RES SMD 100K OHM 5% 1/10W 0603", LatestRevisionDate=17-Jul-2002, LatestRevisionNote="Re-released for DXP Platform.", PackageDescription="Axial Device, Thru-Hole; 2 Leads; 0.4 in Pin Spacing", PackageReference=AXIAL-0.4, Published=8-Jun-2000, Publisher="Altium Limited"
R167 R168 R169 R170: library part Res2, "RES 100 OHM 5% 1/10W 0603", LatestRevisionDate=17-Jul-2002, LatestRevisionNote="Re-released for DXP Platform.", PackageDescription="Axial Device, Thru-Hole; 2 Leads; 0.4 in Pin Spacing", PackageReference=AXIAL-0.4, Published=8-Jun-2000, Publisher="Altium Limited"
RN1 RN3: library part TC164-JR-0747RL, "RES ARRAY 4 RES 47 OHM 0804", Package="1206 Yageo", Availability=Warning, Check_prices=https://www.snapeda.com/parts/TC164-JR-0747RL/Yageo/view-part/499156/?ref=eda, MF=Yageo, MP=TC164-JR-0747RL, PRICE=None, Purchase-URL=https://pricing.snapeda.com/search/part/TC164-JR-0747RL/?ref=eda, SnapEDA_Link=https://www.snapeda.com/parts/TC164-JR-0747RL/Yageo/view-part/499156/?ref=snap
S1: library part "4 Position Dip Switch", "STANDARD DIP SWITCH, 4 POSITIONS", Package=None, Availability=Bad, Check_prices=https://www.snapeda.com/parts/DS01-254-S-04BE/CUI%20Devices/view-part/4467369/?ref=eda, CUI_purchase_URL=https://www.cuidevices.com/product/switches/dip-switches/ds01-254-series?utm_source=snapeda.com&utm_medium=referral&utm_campaign=snapedaBOM, MF="CUI Devices", MP=DS01-254-S-04BE, PRICE=None, SnapEDA_Link=https://www.snapeda.com/parts/DS01-254-S-04BE/CUI%20Devices/view-part/4467369/?ref=snap
U1: "OPTOISOLTR 5KV 4CH TRANS 16-SMD"
U2: library part USBLC6-2SC6, Package="SOT-23-6 STMicroelectronics", Availability=Unavailable, MF=STMicroelectronics, MP=USBLC6-2SC6, PRICE=None, SnapEDA_Link=https://www.snapeda.com/parts/USBLC6-2SC6/STMicroelectronics/view-part/231887/?ref=snap
U7: library part MX25L6406EM2I-12G, "IC FLASH 16MBIT SPI/QUAD 8SOIC"
U8: library part XB3-24Z8PT-J, "RECEPTACLE STRIP 10P 2.0MM PITCH", Package="Module Digi International", Digi-Key_Part_Number=602-2188-ND, Digi-Key_Purchase_URL=https://www.digikey.ch/product-detail/en/digi/XB3-24Z8PT-J/602-2188-ND/8130934?utm_source=snapeda&utm_medium=aggregator&utm_campaign=symbol, MF="Digi International", MP=XB3-24Z8PT-J, SnapEDA_Link=https://www.snapeda.com/parts/XB3-24Z8PT-J/Digi%20International/view-part/2751315/?ref=snap
U27: "Integrated Circuit", Manufacturer_Name="ROHM Semiconductor", Mouser Part Number=755-BA033CC0FP-E2, Arrow Part Number=BA033CC0FP-E2, Arrow Price/Stock=https://www.arrow.com/en/products/ba033cc0fp-e2/rohm-semiconductor?region=nac, Datasheet Link=http://rohmfs.rohm.com/en/products/databook/datasheet/ic/power/linear_regulator/baxxdd0-e.pdf, Manufacturer_Part_Number=BA033CC0FP-E2, Mouser Price/Stock=https://www.mouser.co.uk/ProductDetail/ROHM-Semiconductor/BA033CC0FP-E2?qs=4kLU8WoGk0vZtk7EcED04A%3D%3D
U33: "Linear Voltage Regulator IC 1 Output 500mA DPAK", Package="TO-252 STMicroelectronics", Arrow_Electronics-Purchase-URL=https://snapeda.com/shop?store=Arrow+Electronics&id=8115, Availability=Unavailable, DigiKey-Purchase-URL=https://snapeda.com/shop?store=DigiKey&id=8115, MF=STMicroelectronics, MP=L78M05ABDT-TR, PRICE=None, SnapEDA_Link=https://www.snapeda.com/parts/L78M05ABDT-TR/STMicroelectronics/view-part/8115/?ref=snap

## Via types
v1: diameter 0.6, hole 0.3, Top Layer to Bottom Layer, tented both sides, 520 vias
v2: diameter 0.8, hole 0.5, Top Layer to Bottom Layer, tented both sides, 34 vias
v3: diameter 0.5, hole 0.3, Top Layer to Bottom Layer, 1 vias

## Nets (pads, with @x,y where several pads share a name; then routed paths per layer and width w, separated by ;. In a path a pad name is that pad's centre, name@x,y a point inside that pad or via, vN(x,y) a via of type N, cw(c..) or ccw(c..) an arc to the next point about the centre after c; other vN are vias at no path point)
A_DECAY/NPCS0: D10.5 J15.9 R16.1 R89.1 | length 15.5
  Top Layer w0.2: J15.9@68.328,125.461 70.343,125.461 70.866,125.984 72.733,125.984 73.607,125.11 D10.5@73.848,125.11 74.691,125.11 75.695,126.114 78.737,126.114 79.002,125.849 79.002,125.426 79.8,124.628 R16.1@79.8,124.075 79.947,123.928 R89.1@79.947,122.496
A_EN/IN1: D10.3 J15.7 R17.2 | length 8.8
  Top Layer w0.2: J15.7@68.328,123.461 71.599,123.461 D10.3@71.948,123.81 72.81,123.81 73.275,124.275 75.242,124.275 75.88,123.637 R17.2@76.518,123.637
A_MISO: D11.1 J15.2 R19.2 | length 8.9
  Top Layer w0.2: J15.2@68.328,118.461 70.336,118.461 70.936,119.061 D11.1@72.075,119.061 72.714,119.061 73.411,118.364 74.803,118.364 75.565,119.126 R19.2@76.327,119.126
A_MOSI: D11.3 J15.1 R21.2 | length 5.1
  Top Layer w0.2: J15.1@68.328,117.461 71.775,117.461 ; R21.2@71.77,116.234 71.77,117.456 71.775,117.461 ; D11.3@72.075,117.761 71.775,117.461
A_nFAULT: D9.5 J15.13 R7.1 | length 12.8
  Top Layer w0.2: J15.13@68.328,129.461 69.644,129.461 70.328,130.145 72.169,130.145 73.267,129.047 D9.5@73.833,129.047 74.372,129.047 75.561,130.236 R7.1@79.947,130.236
A_nSLEEP: D10.4 J15.6 R18.1 | length 9.6
  Top Layer w0.2: J15.6@68.328,122.461 72.061,122.461 73.409,123.81 D10.4@73.848,123.81 74.79,123.81 75.311,123.289 75.311,122.809 75.753,122.367 R18.1@76.518,122.367
A_PH/IN2: D10.1 J15.8 R15.2 | length 8.9
  Top Layer w0.2: J15.8@68.328,124.461 70.561,124.461 71.21,125.11 D10.1@71.948,125.11 72.84,125.11 73.3,124.65 75.247,124.65 75.88,125.283 R15.2@76.518,125.283
A_SCL: D9.1 J15.12 R4.2 | length 8.9
  Top Layer w0.2: J15.12@68.328,128.461 69.787,128.461 70.373,129.047 D9.1@71.933,129.047 72.753,129.047 73.2,128.6 74.575,128.6 75.322,129.347 R4.2@76.518,129.347
A_SDA: D9.3 J15.11 R12.2 | length 8.8
  Top Layer w0.2: J15.11@68.328,127.461 69.836,127.461 70.122,127.747 D9.3@71.933,127.747 72.747,127.747 73.225,128.225 75.102,128.225 75.88,127.447 R12.2@76.518,127.447
A_SPCK: D11.5 J15.3 R20.1 | length 8.1
  Top Layer w0.2: J15.3@68.328,119.461 69.818,119.461 70.182,119.825 72.645,119.825 73.409,119.061 D11.5@73.975,119.061 74.275,119.361 74.28,119.361 R20.1@74.28,120.904
A_TOFF: D9.4 J15.10 R14.1 R87.1 | length 13.8
  Top Layer w0.2: J15.10@68.328,126.461 70.581,126.461 70.866,126.746 72.602,126.746 73.603,127.747 D9.4@73.833,127.747 74.691,127.747 75.85,126.588 79.175,126.588 ; R14.1@79.772,127.447 79.175,126.85 79.175,126.588 ; R87.1@79.778,125.984 79.175,126.588
B_DECAY/NPCS2: D13.5 J16.9 R32.1 R91.1 | length 16.8
  Top Layer w0.2: J16.9@68.328,78.5 73.009,78.5 73.772,77.737 D13.5@74.102,77.737 74.945,77.737 75.473,78.265 75.473,78.902 75.947,79.376 79.501,79.376 80.01,78.867 80.01,78.046 80.342,77.714 R32.1@81.042,77.714 81.042,76.379 R91.1@81.217,76.204
B_EN/IN1: D13.3 J16.7 R33.2 | length 8.8
  Top Layer w0.2: J16.7@68.328,76.5 70.693,76.5 70.756,76.437 D13.3@72.202,76.437 73.008,76.437 73.496,76.925 75.632,76.925 75.987,77.28 R33.2@76.772,77.28
B_MISO: D14.1 J16.2 R39.2 R84.2 | length 10.3
  Top Layer w0.2: J16.2@68.328,71.5 70.5,71.5 71.1,72.1 D14.1@72.202,72.1 72.975,72.1 73.5,71.575 76.594,71.575 R39.2@76.772,71.753 R84.2@76.772,73.025
B_MOSI: D14.3 J16.1 R41.2 R95.2 | length 10.9
  Top Layer w0.2: J16.1@68.328,70.5 71.2,70.5 71.5,70.8 D14.3@72.202,70.8 72.202,70.048 73.035,69.215 R41.2@76.772,69.215 R95.2@76.772,70.485
B_nFAULT: D12.5 J16.13 R23.1 | length 11.1
  Top Layer w0.2: J16.13@68.328,82.5 72.946,82.5 73.77,81.676 D12.5@74.102,81.676 74.945,81.676 76.581,83.312 R23.1@78.423,83.312
B_nSLEEP: D13.4 J16.6 R37.1 | length 9.1
  Top Layer w0.2: J16.6@68.328,75.5 72.833,75.5 73.77,76.437 D13.4@74.102,76.437 74.894,76.437 75.512,75.819 R37.1@76.772,75.819
B_PH/IN2: D13.1 J16.8 R31.2 | length 9.4
  Top Layer w0.2: J16.8@68.48,77.5 70.725,77.5 70.962,77.737 D13.1@72.202,77.737 73.012,77.737 73.474,77.275 75.37,77.275 75.946,77.851 75.946,78.359 76.132,78.545 R31.2@76.772,78.545
B_SCL: D12.1 J16.12 R22.2 | length 9
  Top Layer w0.2: J16.12@68.328,81.5 70.8,81.5 70.976,81.676 D12.1@72.202,81.676 73.135,81.676 73.586,81.225 75.258,81.225 76.007,81.974 R22.2@76.772,81.974
B_SDA: D12.3 J16.11 R24.2 | length 8.8
  Top Layer w0.2: J16.11@68.328,80.5 70.63,80.5 70.754,80.376 D12.3@72.202,80.376 73.076,80.376 73.55,80.85 76.506,80.85 R24.2@76.772,80.584
B_SPCK: D14.5 J16.3 R40.1 | length 10.7
  Top Layer w0.2: J16.3@68.328,72.5 69.516,72.5 69.984,72.968 72.85,72.968 73.718,72.1 D14.5@74.102,72.1 74.894,72.1 75.692,72.898 75.692,74.168 75.946,74.422 R40.1@76.772,74.422
B_TOFF: D12.4 J16.10 R27.1 R90.1 | length 16
  Top Layer w0.2: J16.10@68.328,79.5 70.993,79.5 71.12,79.373 73.099,79.373 D12.4@74.102,80.376 74.943,80.376 75.569,79.75 79.8,79.75 ; R90.1@81.217,79.24 80.309,79.24 79.8,79.75 ; R27.1@81.275,80.775 80.32,80.775 79.8,80.255 79.8,79.75
Black1: J7.1 U1.8 | length 23.8
  Top Layer w0.2: U1.8@98.781,34.798 102.235,34.798 104.013,33.02 104.013,24.587 105.613,22.987 J7.1@112.741,22.987
Black2: J7.2 U1.1 | length 15.4
  Top Layer w0.2: U1.1@98.781,17.018 104.14,17.018 107.569,20.447 J7.2@112.741,20.447
Black3: J7.3 U1.4 | length 29.2
  Top Layer w0.2: U1.4@98.781,24.638 97.409,24.638 96.393,23.622 96.393,15.484 96.51,15.367 96.52,15.367 97.536,14.351 104.14,14.351 107.696,17.907 J7.3@112.741,17.907
Black4: J7.4 U1.6 | length 35.1
  Top Layer w0.2: U1.6@98.781,29.718 97.155,29.718 95.758,28.321 95.758,15.113 97.155,13.716 104.775,13.716 106.426,15.367 J7.4@112.741,15.367
C_DECAY/NPCS1: D43.5 J17.9 R52.1 R93.1 | length 15.2
  Top Layer w0.2: J17.9@68.328,31 72.755,31 73.772,29.983 D43.5@74.102,29.983 74.945,29.983 76.054,31.092 79.471,31.092 R52.1@80.661,29.902 80.661,28.527 R93.1@80.582,28.448
C_EN/IN1: D43.3 J17.7 R53.2 | length 9.3
  Top Layer w0.2: J17.7@68.328,29 70.06,29 70.71,28.35 71.869,28.35 D43.3@72.202,28.683 73.006,28.683 73.482,29.159 75.362,29.159 76.011,28.51 R53.2@76.772,28.51
C_MISO: D44.1 J17.2 R55.2 R94.2 | length 10.3
  Top Layer w0.2: J17.2@68.328,24 69.847,24 70.447,24.6 D44.1@72.202,24.6 73.084,24.6 73.751,23.933 R55.2@76.772,23.933 R94.2@76.772,22.606
C_MOSI: D44.3 J17.1 R59.2 R96.2 | length 7.4
  Top Layer w0.2: J17.1@68.328,23 70.325,23 70.625,23.3 D44.3@72.202,23.3 72.202,22.802 71.897,22.497 R59.2@71.897,21.398 71.89,21.39 71.89,20.074 R96.2@71.882,20.066
C_nFAULT: D42.5 J17.13 R43.1 | length 9.9
  Top Layer w0.2: J17.13@68.328,35 72.692,35 73.772,33.92 D42.5@74.087,33.92 74.884,33.92 75.408,34.444 75.408,35.071 75.897,35.56 R43.1@76.771,35.56
C_nSLEEP: D43.4 J17.6 R54.1 | length 10.2
  Top Layer w0.2: J17.6@68.328,28 69.917,28 70.485,27.432 72.441,27.432 73.692,28.683 D43.4@74.102,28.683 74.976,28.683 75.692,27.967 75.692,27.474 76.115,27.051 R54.1@76.771,27.051
C_PH/IN2: D43.1 J17.8 R47.2 | length 8.9
  Top Layer w0.2: J17.8@68.328,30 D43.1@72.185,30 ; D43.1@72.202,29.983 73.014,29.983 73.492,29.505 75.225,29.505 76.003,30.283 R47.2@76.772,30.283
C_SCL: D42.1 J17.12 R42.2 | length 9
  Top Layer w0.2: J17.12@68.328,34 72.107,34 D42.1@72.187,33.92 72.83,33.92 73.308,33.442 75.247,33.442 76.025,34.22 R42.2@76.772,34.22